# Altium PCB MU_MP_39_V1.PcbDoc (part 3 of 15) (continued)
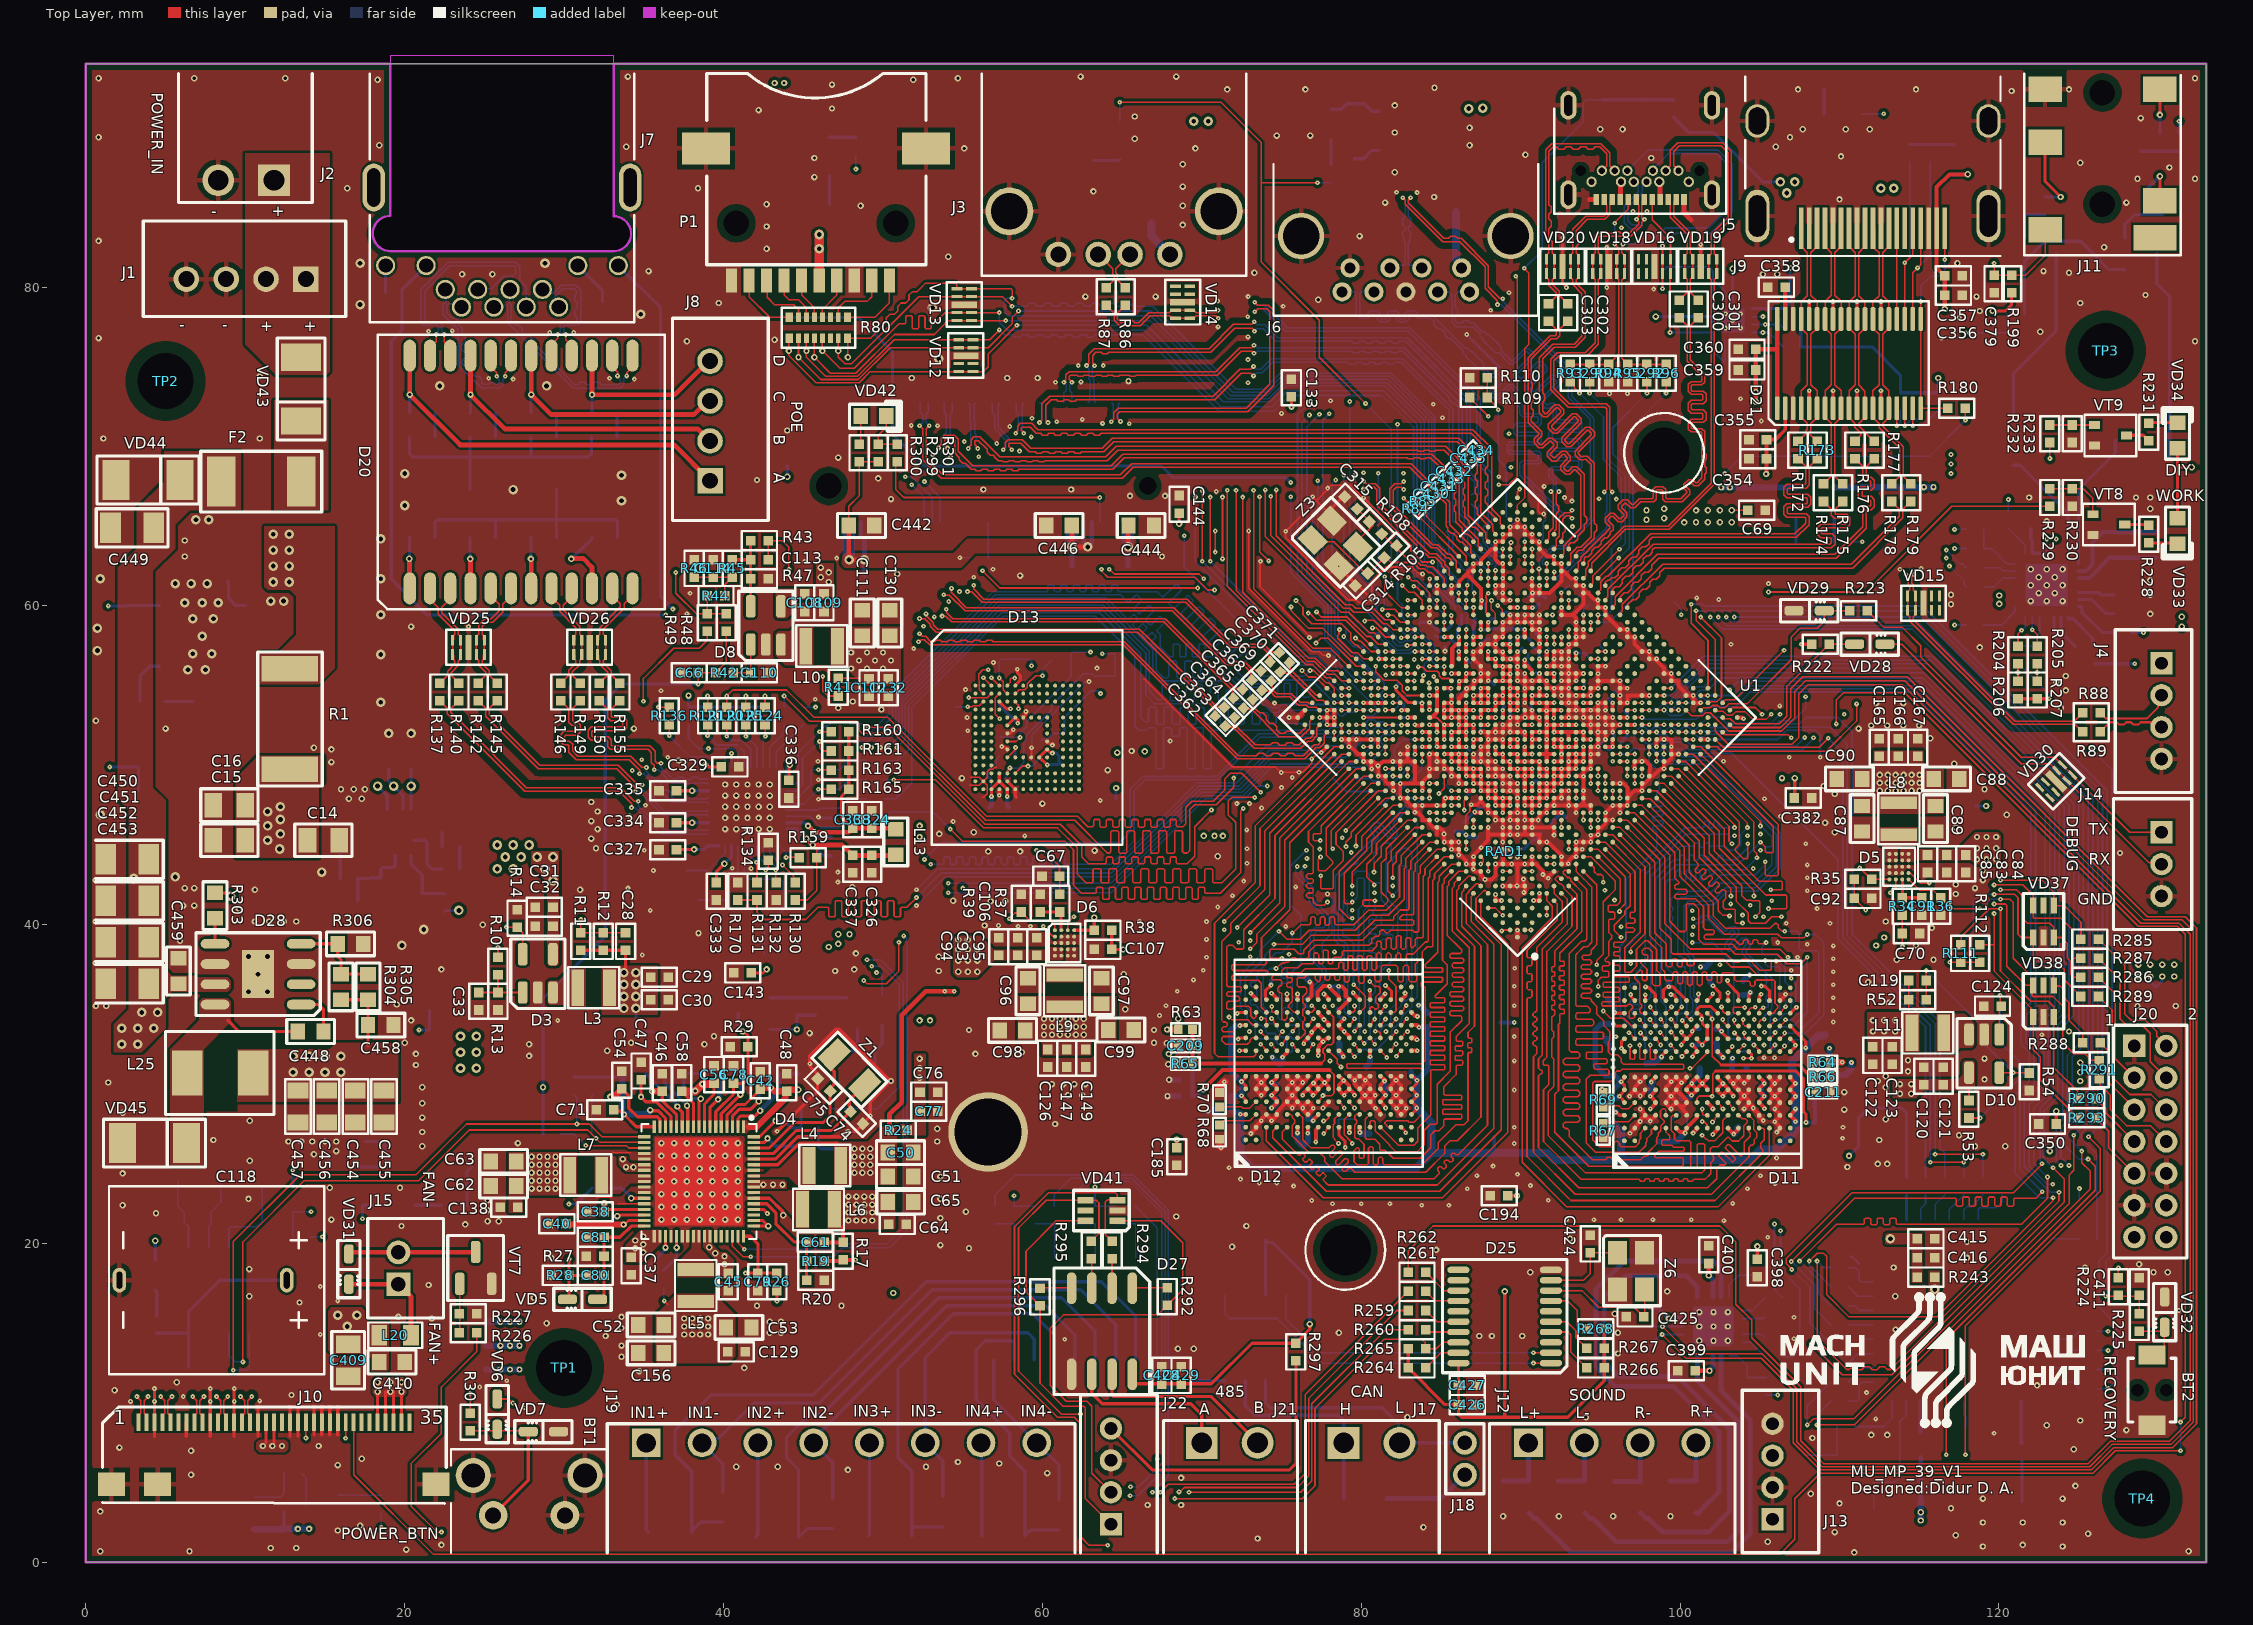
[diagram p0: Top Layer view]
## Footprints (in the part's own frame and the unit in brackets; to place one, negate y for a bottom-side part, rotate by r counter-clockwise, add the part's x,y. Pads: shape width x height; smd on the part's side, far side on the other; paste and mask are expansions set on the pad) (continued)
  silkscreen extent -12.5,-27.5 12.5,27.5, body extent -35.18,-27.03 34.83,26.97, height 8.7
SC70-6 [mm] "SOT23, 5-Leads, Body 2,90x2,80mm, Pitch 0,95mm, IPC Medium Density"
  rect 1x0.4 smd: 1(-1,0.65) 2(-1,0) 3(-1,-0.65) 4(1,-0.65) 5(1,0) 6(1,0.65)
  round 0.5 on Mech1: ""(-0.7,0.6)
  silkscreen extent -1.75,-1.28 1.75,1.28, body extent -1.15,-1.05 1.15,1.05, height 1
SC-70 [mm]
  rect 0.7x0.5 smd: 1(-1,0.65) 2(-1,-0.65) 3(1,0)
  round 0.5 on Mech1: ""(-0.7,0.7)
  silkscreen extent -1.62,-1.3 1.62,1.3, body extent -1.12,-1.1 1.12,1.1, height 1.1
SMA [mm]
  rect 1.7x2.5 smd: 1(-2,0) 2(2,0)
  round 0.5 on Mech1: ""(2,0.9)
  silkscreen extent -3.2,-1.5 3.2,1.5, body extent -2.5,-1.35 2.5,1.35, height 2.28
SO8 [mm] "pitch 1.27 mm"
  rrect100% 2x0.6 smd: 1(0,0) 2(0,-1.27) 3(0,-2.54) 4(0,-3.81) 5(5.4,-3.81) 6(5.4,-2.54) 7(5.4,-1.27) 8(5.4,0)
  round 0.7 on Mech1: 28(0.305,-0.105)
  silkscreen extent -1.27,-4.9 6.68,1.09, body extent -0.3,-4.35 5.7,0.55, height 1.75
SO8_PWR [mm] "pitch 1.27 mm, power pad"
  rrect100% 1.8x0.6 smd: 1(-2.7,1.905) 2(-2.7,0.635) 3(-2.7,-0.635) 4(-2.7,-1.905) 5(2.7,-1.905) 6(2.7,-0.635) 7(2.7,0.635) 8(2.7,1.905)
  rect 2x3 smd: 9(0,0)
  round 0.7 on Mech1: 28(-2.395,1.8)
  silkscreen extent -3.9,-2.6 3.9,2.6, body extent -3,-2.45 3,2.45, height 1.75
SOD323 [mm]
  rrect60% 1.2x0.6 smd: 1(-0.95,0) 2(0.95,0)
  silkscreen extent -1.8,-0.7 1.8,0.7, body extent -1.15,-0.6 1.15,0.6, height 1.04
SOIC127P700X210-16N [mm] "SOIC, 16-Leads, Body 10.30x4.40mm, Pitch 1.27mm, IPC Medium Density"
  oval 1.7x0.6 smd: 1(-3.2,4.445) 2(-3.2,3.175) 3(-3.2,1.905) 4(-3.2,0.635) 5(-3.2,-0.635) 6(-3.2,-1.905) 7(-3.2,-3.175) 8(-3.2,-4.445) 9(3.2,-4.445) 10(3.2,-3.175) 11(3.2,-1.905) 12(3.2,-0.635) 13(3.2,0.635) 14(3.2,1.905) 15(3.2,3.175) 16(3.2,4.445)
  silkscreen extent -4.4,-5.5 4.4,5.5, body extent -3.5,-5.25 3.5,5.25, height 2.1
SOT23 [mm]
  rrect60% 1.4x0.6 smd: 1(-1,1) 2(-1,-1) 3(1,0)
  round 0.5 on Mech1: ""(-0.9,1.1)
  silkscreen extent -2.05,-1.75 2.02,1.75, body extent -1.32,-1.52 1.32,1.52, height 1.12
SOT23-5 [mm] "pitch 0.95 mm"
  rrect50% 1.4x0.6 smd: 1(-1.2,0.95) 2(-1.2,0) 3(-1.2,-0.95) 4(1.2,-0.95) 5(1.2,0.95)
  round 0.5 on Mech1: ""(-1.1,1.1)
  silkscreen extent -2.2,-1.7 2.15,1.7, body extent -1.5,-1.5 1.5,1.5, height 1.3
SOT23-6 [mm] "pitch 0.95 mm"
  rrect50% 1.4x0.6 smd: 1(-1.2,0.95) 2(-1.2,0) 3(-1.2,-0.95) 4(1.2,-0.95) 5(1.2,0) 6(1.2,0.95)
  round 0.5 on Mech1: ""(-1,1.1)
  silkscreen extent -2.15,-1.68 2.15,1.68, body extent -1.4,-1.45 1.4,1.45, height 1.45
TANTAL-B [mm]
  rect 1.8x2.6 smd: 1(-1.6,0) 2(1.6,0)
  silkscreen extent -2.95,-1.83 2.85,1.85, body extent -1.85,-1.46 1.85,1.47, height 2.03
"TEST POINT SMD 1MM" [mm]
  round 1 smd: 1(0,0)
  silkscreen extent -0.7,-0.7 0.7,0.7
TF004 [mm] "micro sd holder 10 pin"
  rect 0.7x1.5 smd: 1(-3.1,-8.3) 2(-2,-8.3) 3(-0.9,-8.3) 4(0.2,-8.3) 5(1.3,-8.3) 6(2.4,-8.3) 7(3.5,-8.3) 8(4.6,-8.3) 9(-4.2,-8.3) 10(-5.3,-8.3)
  rect 3x2 smd: 11(-6.9,0) 12(6.9,0)
  round 0 hole 1.6 unplated: 13(5,-4.7) 14(-5,-4.7)
  Multi-Layer pour cut-out: -5,-5.9 -5.459,-5.809 -5.849,-5.549 -6.109,-5.159 -6.2,-4.7 -6.2,-4.7 -6.109,-4.241 -5.849,-3.851 -5.459,-3.591 -5,-3.5 -5,-3.5 -4.541,-3.591 -4.151,-3.851 -3.891,-4.241 -3.8,-4.7 -3.8,-4.7 -3.891,-5.159 -4.151,-5.549 -4.541,-5.809 -5,-5.9
  Multi-Layer pour cut-out: 3.8,-4.7 3.891,-5.159 4.151,-5.549 4.541,-5.809 5,-5.9 5,-5.9 5.459,-5.809 5.849,-5.549 6.109,-5.159 6.2,-4.7 6.2,-4.7 6.109,-4.241 5.849,-3.851 5.459,-3.591 5,-3.5 5,-3.5 4.541,-3.591 4.151,-3.851 3.891,-4.241 3.8,-4.7
  silkscreen extent -6.85,-7.3 6.9,4.7, body extent -6.85,-7.25 6.9,4.9, height 1.8
TSSOP-20 [mm]
  oval 1.4x0.4 smd: 1(0,0) 2(0,-0.65) 3(0,-1.3) 4(0,-1.95) 5(0,-2.6) 6(0,-3.25) 7(0,-3.9) 8(0,-4.55) 9(0,-5.2) 10(0,-5.85) 11(5.8,-5.85) 12(5.8,-5.2) 13(5.8,-4.55) 14(5.8,-3.9) 15(5.8,-3.25) 16(5.8,-2.6) 17(5.8,-1.95) 18(5.8,-1.3) 19(5.8,-0.65) 20(5.8,0)
  silkscreen extent -1,-6.5 6.8,0.6, body extent -0.42,-6.23 6.18,0.37, height 1.19
TSSOP-38 [mm]
  rrect70% 1.5x0.3 smd: 1(-2.8,4.5) 2(-2.8,4) 3(-2.8,3.5) 4(-2.8,3) 5(-2.8,2.5) 6(-2.8,2) 7(-2.8,1.5) 8(-2.8,1) 9(-2.8,0.5) 10(-2.8,0) 11(-2.8,-0.5) 12(-2.8,-1) 13(-2.8,-1.5) 14(-2.8,-2) 15(-2.8,-2.5) 16(-2.8,-3) 17(-2.8,-3.5) 18(-2.8,-4) 19(-2.8,-4.5) 20(2.8,-4.5) 21(2.8,-4) 22(2.8,-3.5) 23(2.8,-3) 24(2.8,-2.5) 25(2.8,-2) 26(2.8,-1.5) 27(2.8,-1) 28(2.8,-0.5) 29(2.8,0) 30(2.8,0.5) 31(2.8,1) 32(2.8,1.5) 33(2.8,2) 34(2.8,2.5) 35(2.8,3) 36(2.8,3.5) 37(2.8,4) 38(2.8,4.5)
  silkscreen extent -3.85,-5 3.9,5.05, body extent -3.2,-4.85 3.2,4.85, height 1.2
TSX3215 [mm]
  rect 1.2x1.8 smd: 1(-1.35,0) 2(1.35,0)
  silkscreen extent -2.2,-1.15 2.2,1.15, body extent -1.61,-0.76 1.61,0.76, height 0.91
TSX3225 [mm]
  rect 1.5x1.2 smd: 1(-1.15,-0.85) 2(1.15,-0.85) 3(1.15,0.85) 4(-1.15,0.85)
  silkscreen extent -2.22,-1.73 2.18,1.85, body extent -1.6,-1.25 1.6,1.25, height 0.81
U.FL-R-SMT-1 [mm]
  rect 1x1.1 smd: 1(0,-1.5)
  rect 1.1x2.2 smd: 2(-1.4,0) 3(1.4,0)
  silkscreen extent -2.2,-2.3 2.2,1.7, body extent -1.53,-1.6 1.47,1.5, height 1.25
"USB3.1 TYPE-C 24PF-003" [mm]
  rect 0.35x0.7 smd mask+0.05: A1(-2.75,1.11) A2(-2.25,1.11) A3(-1.75,1.11) A4(-1.25,1.11) A5(-0.75,1.11) A6(-0.25,1.11) A7(0.25,1.11) A8(0.75,1.11) A9(1.25,1.11) A10(1.75,1.11) A11(2.25,1.11) A12(2.75,1.11)
  round 0.65 hole 0.4 mask+0.05: B1(3.05,0) B2(2.4,-0.7) B3(1.6,-0.7) B4(1.2,0) B5(0.8,-0.7) B6(0.4,0) B7(-0.4,0) B8(-0.8,-0.7) B9(-1.2,0) B10(-1.6,-0.7) B11(-2.4,-0.7) B12(-3.05,0)
  oval 1x1.8 hole 0.5 slot 1.3 at 90 deg mask+0.05: E1(4.5,0.81) E2(-4.5,0.81) E3(-4.5,-4.8) E4(4.5,-4.8)
  round 0 hole 0.65 mask+0.05: H1(-3.725,-0.7) H2(3.725,-0.7)
  Multi-Layer pour cut-out: -3.725,-1.276 -3.945,-1.232 -4.132,-1.107 -4.257,-0.92 -4.301,-0.7 -4.301,-0.7 -4.257,-0.48 -4.132,-0.293 -3.945,-0.168 -3.725,-0.124 -3.725,-0.124 -3.505,-0.168 -3.318,-0.293 -3.193,-0.48 -3.149,-0.7 -3.149,-0.7 -3.193,-0.92 -3.318,-1.107 -3.505,-1.232 -3.725,-1.276
  Multi-Layer pour cut-out: 3.149,-0.7 3.193,-0.92 3.318,-1.107 3.505,-1.232 3.725,-1.276 3.725,-1.276 3.945,-1.232 4.132,-1.107 4.257,-0.92 4.301,-0.7 4.301,-0.7 4.257,-0.48 4.132,-0.293 3.945,-0.168 3.725,-0.124 3.725,-0.124 3.505,-0.168 3.318,-0.293 3.193,-0.48 3.149,-0.7
  silkscreen extent -5.4,-4.6 5.4,2, body extent -4.86,-8.46 4.85,1.54, height 3.51
WB-2 [mm]
  rect 1.5x1.5 hole 0.9: 1(0,0)
  round 1.5 hole 0.9: 2(2,0)
  silkscreen extent -2.12,-2.83 4.13,1.92, body extent -2,-2.7 4,1.8, height 6.05
WB-3 [mm]
  rect 1.4x1.4 hole 0.8: 1(0,0)
  round 1.4 hole 0.8: 2(2,0) 3(4,0)
  silkscreen extent -2.1,-3 6.1,1.9, body extent -1.95,-2.8 5.95,1.7, height 6
WB-4 [mm]
  rect 1.4x1.4 hole 0.8: 1(0,0)
  round 1.4 hole 0.8: 2(2,0) 3(4,0) 4(6,0)
  silkscreen extent -2.1,-2.9 8.1,1.9, body extent -1.95,-2.75 7.95,1.75, height 6
WLCSP-20 [mm]
  round 0.25 smd mask+0.04: A1(-0.6,0.8) A2(-0.2,0.8) A3(0.2,0.8) A4(0.6,0.8) B1(-0.6,0.4) B2(-0.2,0.4) B3(0.2,0.4) B4(0.6,0.4) C1(-0.6,0) C2(-0.2,0) C3(0.2,0) C4(0.6,0) D1(-0.6,-0.4) D2(-0.2,-0.4) D3(0.2,-0.4) D4(0.6,-0.4) E1(-0.6,-0.8) E2(-0.2,-0.8) E3(0.2,-0.8) E4(0.6,-0.8)
  silkscreen extent -1,-1.2 1,1.2, body extent -0.82,-1 0.78,1, height 0.58
WQFN14 [mm]
  rect 0.55x0.3 smd: 1(-1.215,0.5) 2(-1.215,0) 3(-1.215,-0.5) 8(1.215,-0.5) 9(1.215,0) 10(1.215,0.5)
  rect 0.3x0.55 smd: 4(-0.75,-1.215) 5(-0.25,-1.215) 6(0.25,-1.215) 7(0.75,-1.215) 11(0.75,1.215) 12(0.25,1.215) 13(-0.25,1.215) 14(-0.75,1.215)
  round 0.025 smd mask+0.05: 15(0,0)
  Top Layer region: -0.525,0.725 -0.725,0.525 -0.725,-0.725 0.725,-0.725 0.725,0.725
  silkscreen extent -1.63,-1.63 1.63,1.63, body extent -1.25,-1.24 1.24,1.24, height 0.51
XF2M-30_3515-1A [mm] "Rotary Backclock Connector 40 pin"
  rect 0.25x1.1 smd: 1(0,0) 2(0.5,0) 3(1,0) 4(1.5,0) 5(2,0) 6(2.5,0) 7(3,0) 8(3.5,0) 9(4,0) 10(4.5,0) 11(5,0) 12(5.5,0) 13(6,0) 14(6.5,0) 15(7,0) 16(7.5,0) 17(8,0) 18(8.5,0) 19(9,0) 20(9.5,0) 21(10,0) 22(10.5,0) 23(11,0) 24(11.5,0) 25(12,0) 26(12.5,0) 27(13,0) 28(13.5,0) 29(14,0) 30(14.5,0) 31(15,0) 32(15.5,0) 33(16,0) 34(16.5,0) 35(17,0)
  rect 1.7x1.5 smd: 41(-1.7,-3.9) 42(1.2,-3.9) 43(18.65,-3.9)
  silkscreen extent -2.25,-5.1 19.3,0.95, body extent -2.3,-5 19.3,0.9, height 2.01
YC248 [mm]
  rect 0.6x0.45 smd: 1(0,0.025) 8(0,-3.625) 9(1.3,-3.625) 16(1.3,0.025)
  rect 0.6x0.3 smd: 2(0,-0.55) 3(0,-1.05) 4(0,-1.55) 5(0,-2.05) 6(0,-2.55) 7(0,-3.05) 10(1.3,-3.05) 11(1.3,-2.55) 12(1.3,-2.05) 13(1.3,-1.55) 14(1.3,-1.05) 15(1.3,-0.55)
  silkscreen extent -0.6,-4.1 1.9,0.5, body extent -0.15,-3.8 1.45,0.2, height 0.45

## Part data
BT1: library part Button_Corner_4pin, Package=L-KLS7-TS6606-5.0-180, PartNumber=L-KLS7-TS6606-5.0-180
BT2: library part Button_2pin, Package=IT-1185AP, PartNumber=IT-1185AP
C1 C11 C12 C18 C374 C410 C448 C458 C459 C460 C463 C468: library part Ceramic_Cap, Package=SMD0603, PartNumber=CC0603KRX7R9BB104, Voltage=50V, ComponentType="SMD Ceramic Chip Capacitor"
C2 C3 C4 C5 C449 C450 C451 C452: library part Ceramic_Cap, Package=SMD1206, PartNumber=CL31B106KBHNNNE, Voltage=50V, ComponentType="SMD Ceramic Chip Capacitor"
C6 C453: library part Ceramic_Cap, Package=SMD1206, PartNumber=CC1206MRY5V9BB105, Voltage=50V, ComponentType="SMD Ceramic Chip Capacitor"
C7 C8 C14 C15 C454 C455: library part Ceramic_Cap, Package=SMD0805, PartNumber=CC0805MKX5R8BB226, Voltage=25V, ComponentType="SMD Ceramic Chip Capacitor"
C9 C16 C456 C462: library part Ceramic_Cap, Package=SMD0805, PartNumber=CL21A106KAYNNNE, Voltage=25V, ComponentType="SMD Ceramic Chip Capacitor"
C10 C17 C375 C409 C457: library part Ceramic_Cap, Package=SMD0805, PartNumber=CC0805KKX7R8BB105, Voltage=25V, ComponentType="SMD Ceramic Chip Capacitor"
C13 C383 C384 C386 C388: library part Ceramic_Cap, Package=SMD0402, PartNumber=CC0402KRX5R8BB224, Voltage=25V, ComponentType="SMD Ceramic Chip Capacitor"
C19 C24 C25 C30 C32 C33 C66 C67 C68 C69 C70 C71 C72 C77 C78 C79 C82 C85 C91 C92 C95 C101 C102 C104 C106 C107 C109 C110 C112 C117 C121 C123 C124 C133 C143 C144 C149 C150 C159 C167 C168 C185 C194 C201 C202 C203 C206 C215 C216 C217 C218 C219 C223 C224 C225 C226 C229 C230 C231 C234 C235 C236 C237 C238 C242 C243 C244 C245 C246 C250 C251 C252 C253 C254 C262 C264 C268 C269 C272 C276 C279 C281 C284 C290 C291 C292 C300 C301 C302 C303 C306 C308 C325 C327 C328 C329 C330 C332 C333 C334 C335 C336 C341 C345 C355 C357 C358 C360 C361 C362 C363 C364 C365 C367 C368 C369 C370 C371 C379 C380 C382 C385 C387 C389 C390 C399 C400 C401 C402 C404 C406 C408 C413 C415 C417 C422 C427 C428 C443 C445 C447 C467: library part Ceramic_Cap, Package=SMD0402, PartNumber=CC0402KRX5R6BB104, Voltage=10V, ComponentType="SMD Ceramic Chip Capacitor"
  C201 C202 C203 C206 C215 C216 C217 C218 C219 C223 C224 C225 C226 C229 C230 C231 C234 C235 C236 C237 C238 C242 C243 C244 C245 C246 C250 C251 C252 C253 C254 C362 C363 C364 C365 C368 C369 C370 C371: ClassName=Solder_Clearence
C20 C21 C22 C23 C50 C51 C52 C53 C62 C63 C65 C87 C88 C89 C90 C96 C97 C98 C99 C111 C130 C146 C156 C164 C177 C186 C273 C442 C444 C446: library part Ceramic_Cap, Package=SMD0603, PartNumber=CL10A226MP8NUNE, Voltage=10V, ComponentType="SMD Ceramic Chip Capacitor"
C26 C27 C37 C39 C42 C46 C48 C54 C56 C58 C73 C132 C138 C147 C148 C158 C166 C169 C179 C188 C195 C198 C214 C222 C228 C233 C241 C249 C287 C288 C289 C316 C337 C338 C350 C352 C354 C356 C359 C423 C426 C429 C440: library part Ceramic_Cap, Package=SMD0402, PartNumber=CC0402KRX5R6BB105, Voltage=10V, ComponentType="SMD Ceramic Chip Capacitor"
  C148 C158 C169 C179 C188 C195 C198 C214 C222 C228 C233 C241 C249 C316 C352 C440: ClassName=Solder_Clearence
C28 C119 C461: library part Ceramic_Cap, Package=SMD0402, PartNumber=CC0402KRNPO9BN101, Voltage=50V, ComponentType="SMD Ceramic Chip Capacitor"
C29 C31 C45 C64 C76 C83 C84 C93 C94 C100 C103 C108 C120 C122 C125 C126 C127 C128 C129 C131 C157 C165 C178 C187 C213 C221 C227 C232 C240 C248 C274 C275 C280 C282 C283 C304 C305 C307 C324 C326 C331 C366 C414 C416 C418 C464 C465 C466: library part Ceramic_Cap, Package=SMD0402, PartNumber=CC0402MRX5R6BB106, Voltage=10V, ComponentType="SMD Ceramic Chip Capacitor"
  C125 C127 C128 C131 C157 C178 C187 C213 C221 C227 C232 C240 C248: ClassName=Solder_Clearence
C34 C35 C36 C105 C134 C135 C136 C139 C140 C141 C142 C151 C152 C153 C154 C160 C161 C162 C170 C171 C172 C173 C174 C175 C180 C181 C182 C183 C184 C189 C190 C191 C192 C193 C196 C197 C199 C200 C258 C259 C265 C266 C277 C278 C293 C294 C295 C296 C297 C298 C299 C309 C310 C311 C312 C313 C317 C318 C319 C320 C321 C322 C323 C344 C351 C353 C372 C373 C381 C430 C431 C432 C433 C434 C435 C436 C437 C438 C439 C441: library part Ceramic_Cap, Package=SMD0201, PartNumber=CC0201KRX5R6BB104, Voltage=10V, ComponentType="SMD Ceramic Chip Capacitor"
C38 C40 C43 C44 C47 C55 C59 C86 C260 C378: library part Ceramic_Cap, Package=SMD0402, PartNumber=CC0402KRX5R6BB225, Voltage=10V, ComponentType="SMD Ceramic Chip Capacitor"
C41 C49 C57 C80 C261 C263 C267 C270 C271 C391 C396 C397 C398 C403 C405 C407: library part Ceramic_Cap, Package=SMD0402, PartNumber=CL05A475KP5NRNC, Voltage=10V, ComponentType="SMD Ceramic Chip Capacitor"
C60: library part Ceramic_Cap, Package=SMD0402, PartNumber=CC0402MRX5R6BB106, Voltage=6.3V, ComponentType="SMD Ceramic Chip Capacitor"
C61 C113: library part Ceramic_Cap, Package=SMD0402, PartNumber=CC0402FRNPO9BN470, Voltage=50V, ComponentType="SMD Ceramic Chip Capacitor"
C74 C75 C115 C116 C314 C315 C339 C340 C420 C421 C424 C425: library part Ceramic_Cap, Package=SMD0402, PartNumber=CC0402JRNPO9BN120, Voltage=50V, ComponentType="SMD Ceramic Chip Capacitor"
C81 C114: library part Ceramic_Cap, Package=SMD0402, PartNumber=GRM155R61A223KA01D, Voltage=10V, ComponentType="SMD Ceramic Chip Capacitor"
C118: library part AluminiumCap, Package=DCS5R5_H, PartNumber=DCS5R5334HF, Tolerance=±20%, Voltage=5.5V
C137 C145 C155 C163 C176: library part Ceramic_Cap, Package=SMD0201, PartNumber=CC0201KRX7R7BB102, Voltage=16V, ComponentType="SMD Ceramic Chip Capacitor"
C204 C205 C207 C208 C209 C210 C211 C212 C220 C239 C247 C255 C411: library part Ceramic_Cap, Package=SMD0402, PartNumber=CC0402KRX7R9BB102, Voltage=10V, ComponentType="SMD Ceramic Chip Capacitor"
  C204 C205 C207 C208 C209 C210 C211 C212 C220 C239 C247 C255: ClassName=Solder_Clearence
C256 C257 C419: library part Ceramic_Cap, Package=SMD0402, PartNumber="Do Not Place", ComponentType="SMD Ceramic Chip Capacitor"
  C256 C257: ClassName=Solder_Clearence
C285 C286: library part Ceramic_Cap, Package=SMD0402, PartNumber=CC0402JRNPO9BN221, Voltage=50V, ComponentType="SMD Ceramic Chip Capacitor"
C342 C343 C346 C348: library part Ceramic_Cap, Package=SMD0603, PartNumber=CC0603KRX7R0BB103, Voltage=100V, ComponentType="SMD Ceramic Chip Capacitor"
C347 C349: library part Ceramic_Cap, Package=SMD1206, PartNumber=CC1206MKX7RDBB102, Voltage=2kV, ComponentType="SMD Ceramic Chip Capacitor"
C376 C377: library part Tantal, Package=TANTAL-B, PartNumber=CA45L-B010K476TE500, Tolerance=20%, Voltage=10V, ComponentType="SMD Tantalum Chip Capacitor"
C392 C393 C394 C395: library part Ceramic_Cap, Package=SMD0402, PartNumber=CC0402JRX7R9BB561, Voltage=50V, ComponentType="SMD Ceramic Chip Capacitor"
C412: library part Ceramic_Cap, Package=SMD0402, PartNumber=CC0402CRNPO9BN100, Voltage=50V, ComponentType="SMD Ceramic Chip Capacitor"
D1 D28: library part ST1S14, Manufacter=ST, Package="Power SO8", ComponentType="step-down switching regulator", PartNumber=ST1S14PHR
D2: Package=QFN-12, ComponentType="SMD Chip Resistor", PartNumber=NB679GD
D3: library part SY8088AAC, Package=SOT23-5, ComponentType="SMD Chip Resistor", PartNumber=SY8089A1AAC
D4: Package=QFN68, ComponentType="SMD Chip Resistor", PartNumber=RK808-D
D5: Package=WLCSP-20, ComponentType="SMD Chip Resistor", PartNumber=SYR838PKC
D6: library part SYR838PKC, Package=WLCSP-20, ComponentType="SMD Chip Resistor", PartNumber=SYR837PKC
D7: library part PT5108E23E-30, Package=SOT23-5, ComponentType="SMD Chip Resistor", PartNumber=PT5108E23E-18
D8 D10 D14 D15 D18: Package=SOT23-5, ComponentType="SMD Chip Resistor"
  D8 D10: PartNumber=SY8088AAC
  D14: PartNumber=PT5108E23E-30
  D15 D18: PartNumber=SY6280AAAC
D9: Package=SO8, ComponentType="SMD Chip Resistor", PartNumber=PCF8563T
D11 D12: library part K4E8E304EE-EGCE, Package=FBGA178, PartNumber=K4E6E304EB-EGCF
D13: Package=FBGA153, PartNumber=KLMAG2WEMB-B031
D16: library part SY6280AAAC, Package=SOT23-5, ComponentType="SMD Chip Resistor", PartNumber=SY6282ACC
D17: Package=WQFN14, ComponentType="SMD Chip Resistor", PartNumber=FUSB302BMPX
D19: Package=QFN40, ComponentType="SMD Chip Resistor", PartNumber=RTL8211F-CG
D21: Package=TSSOP-38, PartNumber=TPD12S521DBTR
D22: Package=QFN-28, ComponentType="SMD Chip Resistor", PartNumber=ES8388
D23: Package=QFN-20, ComponentType="SMD Chip Resistor", PartNumber=PAM8404KGR
D25: Package=TSSOP-20, ComponentType="SMD Chip Resistor", PartNumber=MCP2515IST
D26: library part SN65HVD230D, Manufacter=TI, Package=SO8, PartNumber=SN65HVD235D, ComponentType="CAN Bus Transceiver"
D27: Manufacter=TI, Package=SO8, ComponentType="RS-485 Transceiver", PartNumber=SN65HVD1781D
D29: Manufacter=ST, Package=TSOT23-6, ComponentType="step-down switching regulator", PartNumber=SM8103
F1 F2: library part Fuse, Package=SMD1812, PartNumber=1812L110/33MR
J1 J8: library part CON4, PartNumber="DS1069-4MVW6X (CWF-4)", Package=CWF-4
J2: library part CON2, Package=15EDGRC-3.5-02P, PartNumber=15EDGRC-3.5-02P
J3: library part USBA-1J, Package=DS1095-WNR0, PartNumber=DS1095-WNR0
J4 J13: library part CON4, PartNumber=DS1066-04M(MW-4M), Package=WB-4
J5: library part TYPEC_FUCR-248X-10XX, ComponentType="SMD Chip Resistor", Package="USB3.1 TYPE-C 24PF-003", PartNumber="USB3.1 TYPE-C 24PF-003"
J6: library part USB3D0_AF_9P, ComponentType="SMD Chip Resistor", Package=DS1095-05-LNR0, PartNumber=DS1095-05-LNR0
J9: library part HDMI_A_1, Package=DS1114-BN0XR, PartNumber=DS1114-BN0XR
J10: library part LCD_CON_30_35, Package=XF2M30151A, PartNumber=XF2M30151A
J12: library part CON4, Package=15EDGRC-3.5-04P, PartNumber=15EDGRC-3.5-04P
J14: library part CON3, PartNumber=DS1066-03M(MW-3M), Package=WB-3
J15 J17 J21: library part CON2, PartNumber=DS1066-02M(MW-2M), Package=WB-2
J16: library part UFL_CON, ComponentType="SMD Chip Resistor", Package=U.FL-R-SMT-1, PartNumber=U.FL-R-SMT-1
J18: Package=PLS-2(2.00), PartNumber=DS1025-01-1x2P8BV1-B
J19: library part CON8, Package=15EDGRC-3.5-08P, PartNumber=15EDGRC-3.5-08P
J20: library part CON14_2, Package="PLD2-14 (2.00", PartNumber="PLD2-14 (2.00"
J22: library part CON4, PartNumber=DS1066-04M, Package=WB-04
J23: library part KLS1-NGFF01-3.2-M-G1U_1, ComponentType="SMD Chip Resistor", Package=KLS1-NGFF01-3.2-M-G1U, PartNumber=KLS1-NGFF01-3.2-M-G1U
L1 L25 L26: library part Inductor_smal, Package=IHLP2020, PartNumber=IHLP2020CZER3R3M01
L2: library part Inductor_smal, Package=IHLP2020, PartNumber=IHLP2020CZER2R2M01
L3 L4 L6: library part Inductor_smal, Package=HEI252012A, PartNumber=HEI252012A-2R2M-Q8
L5 L7: library part Inductor_smal, Package=HEI252012A, PartNumber=HEI252012A-1R0M-Q8
L8 L9: library part Inductor_smal, Package=HEI252012A, PartNumber=HEI252012A-R33M-Q8
L10 L11: library part Inductor_smal, Package=WPN252012, PartNumber=WPN252012H3R3MT
L12: library part Inductor_smal, Package=SMD252012, PartNumber=DFE252012P-2R2M=P2
L13 L23: library part Inductor_smal, Package=SMD0603, PartNumber=BLM18PG181SN1
L14 L15 L16 L17 L18 L19 L20: library part Inductor_smal, Package=SMD0805, PartNumber=PBY201209T-121Y-N
L21 L22: library part Inductor_smal, Package=SMD0402, PartNumber="Do Not Place", ClassName=Solder_Clearence
L24: library part Inductor_smal, Package=MWSA0402S, PartNumber=MWSA0402S-4R7MT
P1: library part "MicroSD 9E", ComponentType="MicroSD conector", Package=TF004, PartNumber=TF004
R1 R302: library part Chip_Res, Package=SMD2512, PartNumber=RC2512FK-070RL, Tolerance=1%, ComponentType="SMD Chip Resistor"
R2 R303: library part Chip_Res, Package=SMD0603, PartNumber=RC0603FR-07510KL, Tolerance=1%, ComponentType="SMD Chip Resistor"
R3 R304: library part Chip_Res, Package=SMD0603, PartNumber=RC0603FR-0747KL, Tolerance=1%, ComponentType="SMD Chip Resistor"
R4 R305: library part Chip_Res, Package=SMD0603, PartNumber=RC0603FR-07360KL, Tolerance=1%, ComponentType="SMD Chip Resistor"
R5 R306: library part Chip_Res, Package=SMD0603, PartNumber=RC0603FR-074K7L, Tolerance=1%, ComponentType="SMD Chip Resistor"
R6: library part Chip_Res, Package=SMD0402, PartNumber=RC0402FR-073R3L, Tolerance=1%, ComponentType="SMD Chip Resistor"
R7 R13 R49: library part Chip_Res, Package=SMD0402, PartNumber=RC0402FR-0730KL, Tolerance=1%, ComponentType="SMD Chip Resistor"
R8 R43 R52 R93 R96 R187 R227 R230 R233 R256 R307 R308 R309: library part Chip_Res, Package=SMD0402, PartNumber=RC0402FR-07100KL, Tolerance=1%, ComponentType="SMD Chip Resistor"
R9 R16 R22 R23 R25 R26 R28 R32 R34 R36 R37 R39 R40 R42 R51 R59 R60 R61 R62 R79 R82 R91 R106 R109 R110 R186 R188 R190 R198 R199 R201 R214 R217 R219 R220 R221 R222 R224 R226 R229 R232 R264 R265 R266 R267 R268 R269 R270 R277 R281 R298 R299: library part Chip_Res, Package=SMD0402, PartNumber=RC0402FR-0710KL, Tolerance=1%, ComponentType="SMD Chip Resistor"
  R59 R60 R61 R62: ClassName=Solder_Clearence
R10 R44: library part Chip_Res, Package=SMD0402, PartNumber=RC0402FR-0718KL, Tolerance=1%, ComponentType="SMD Chip Resistor"
R11: library part Chip_Res, Package=SMD0402, PartNumber=RC0402FR-07150KL, Tolerance=1%, ComponentType="SMD Chip Resistor"
R12 R77 R107 R119 R163 R165 R215 R216 R218 R257: library part Chip_Res, Package=SMD0402, PartNumber="Do Not Place", Tolerance=1%, ComponentType="SMD Chip Resistor"
R14: library part Chip_Res, Package=SMD0402, PartNumber=RC0402FR-0733KL, Tolerance=1%, ComponentType="SMD Chip Resistor"
R15 R17 R18 R35 R38 R41 R50 R131 R200 R223 R228 R231 R285 R286 R287 R288 R289 R290 R291 R293: library part Chip_Res, Package=SMD0402, PartNumber=RC0402FR-07100RL, Tolerance=1%, ComponentType="SMD Chip Resistor"
R19: library part Chip_Res, Package=SMD0402, PartNumber=RC0402FR-0751KL, Tolerance=1%, ComponentType="SMD Chip Resistor"
R20 R47 R54: library part Chip_Res, Package=SMD0402, PartNumber=RC0402FR-07200KL, Tolerance=1%, ComponentType="SMD Chip Resistor"
R21: library part Chip_Res, Package=SMD0402, PartNumber=RL0402FR-070R1L, Tolerance=1%, ComponentType="SMD Chip Resistor"
R24 R30 R57 R58 R86 R87 R88 R89 R104 R137 R140 R142 R145 R146 R149 R150 R155 R204 R205 R243 R259 R260 R261 R262 R274 R276 R280 R284 R292 R294 R295 R296 R297 R301: library part Chip_Res, Package=SMD0402, PartNumber=RC0402FR-070RL, Tolerance=1%, ComponentType="SMD Chip Resistor"
  R57 R58: ClassName=Solder_Clearence
R27 R94 R95: library part Chip_Res, Package=SMD0402, PartNumber=RC0402FR-072ML, Tolerance=1%, ComponentType="SMD Chip Resistor"
R29 R65 R66 R101 R180 R189: library part Chip_Res, Package=SMD0402, PartNumber=RC0402FR-071KL, Tolerance=1%, ComponentType="SMD Chip Resistor"
  R65 R66: ClassName=Solder_Clearence
R31: library part Chip_Res, Package=SMD0402, PartNumber=RC0402FR-073K3L, Tolerance=1%, ComponentType="SMD Chip Resistor"
R33 R78 R103: library part Chip_Res, Package=SMD0402, PartNumber=RC0402FR-1347KL, Tolerance=1%, ComponentType="SMD Chip Resistor"
R45: library part Chip_Res, Package=SMD0402, PartNumber=RC0402FR-07118KL, Tolerance=1%, ComponentType="SMD Chip Resistor"
R46: library part Chip_Res, Package=SMD0402, PartNumber=RC0402FR-0712KL, Tolerance=1%, ComponentType="SMD Chip Resistor"
R48: library part Chip_Res, Package=SMD0402, PartNumber=RC0402FR-073K9L, Tolerance=1%, ComponentType="SMD Chip Resistor"
R53: library part Chip_Res, Package=SMD0402, PartNumber=RC0402FR-0739KL, Tolerance=1%, ComponentType="SMD Chip Resistor"
R55 R56: library part Chip_Res, Package=SMD0201, PartNumber=RC0201FR-07240RL, Tolerance=1%, ComponentType="SMD Chip Resistor"
R63 R64: library part Chip_Res, Package=SMD0402, PartNumber=RC0402FR-07768RL, Tolerance=1%, ClassName=Solder_Clearence, ComponentType="SMD Chip Resistor"
R67 R68 R69 R70: library part Chip_Res, Package=SMD0402, PartNumber=RC0402FR-07240RL, Tolerance=1%, ClassName=Solder_Clearence, ComponentType="SMD Chip Resistor"
R71 R72 R73 R74: library part Chip_Res, Package=SMD0402, PartNumber=RC0402FR-0751RL, Tolerance=1%, ClassName=Solder_Clearence, ComponentType="SMD Chip Resistor"
R75 R108 R120 R121 R122 R123 R124 R125 R126 R127 R129 R133 R135 R136 R141 R195 R196 R234 R235 R236 R237 R238 R239 R240 R241 R242 R244 R245 R246 R247 R248 R249 R250 R251 R252 R253 R254 R255: library part Chip_Res, Package=SMD0402, PartNumber=RC0402FR-0722RL, Tolerance=1%, ComponentType="SMD Chip Resistor"
  R75: ClassName=Solder_Clearence
R76: library part Chip_Res, Package=SMD0201, PartNumber=RC0201FR-0710KL, Tolerance=1%, ComponentType="SMD Chip Resistor"
R80: library part YC248, PartNumber=YC248-JR-0722RL, Tolerance=5%, Package=YC248
R81: library part YC248, PartNumber="Do Not Place", Tolerance=5%, Package=YC248
R83 R102 R130 R132 R134 R151 R154 R156 R157 R159 R160 R161 R162 R164 R167 R168 R170 R182 R183: library part Chip_Res, Package=SMD0402, PartNumber=RC0402FR-074K7L, Tolerance=1%, ComponentType="SMD Chip Resistor"
R84 R85: library part Chip_Res, Package=SMD0201, PartNumber=RC0201FR-07133RL, Tolerance=1%, ComponentType="SMD Chip Resistor"
R90: library part Chip_Res, Package=SMD0402, PartNumber=RC0402FR-072K7L, Tolerance=1%, ComponentType="SMD Chip Resistor"
R92: library part Chip_Res, Package=SMD0402, PartNumber=RC0402FR-0715KL, Tolerance=1%, ComponentType="SMD Chip Resistor"
R97 R98 R99 R100: library part Chip_Res, Package=SMD0402, PartNumber=RC0402FR-07499RL, Tolerance=1%, ClassName=Solder_Clearence, ComponentType="SMD Chip Resistor"
R105: library part Chip_Res, Package=SMD0402, PartNumber=RC0402FR-071ML, Tolerance=1%, ComponentType="SMD Chip Resistor"
R111 R112 R113 R114 R115 R116 R117 R118 R197 R206 R207: library part Chip_Res, Package=SMD0402, PartNumber=RC0402FR-072K2L, Tolerance=1%, ComponentType="SMD Chip Resistor"
R128: library part Chip_Res, Package=SMD0402, PartNumber=RC0402FR-072K49L, Tolerance=1%, ComponentType="SMD Chip Resistor"
R138 R139 R143 R144 R147 R148 R152 R153: library part Chip_Res, Package=SMD0603, PartNumber=RC0603FR-0775RL, Tolerance=1%, ComponentType="SMD Chip Resistor"
R158: library part Chip_Res, Package=SMD0402, PartNumber=RC0402FR-071K5L, Tolerance=1%, ComponentType="SMD Chip Resistor"
R166 R169: library part Chip_Res, Package=SMD0402, PartNumber=RC0402FR-07510RL, Tolerance=1%, ComponentType="SMD Chip Resistor"
R171: library part Chip_Res, Package=SMD0402, PartNumber=RC0402FR-071K62L, Tolerance=1%, ClassName=Solder_Clearence, ComponentType="SMD Chip Resistor"
R172 R173 R174 R175 R176 R177 R178 R179: library part Chip_Res, Package=SMD0402, PartNumber=RC0402FR-072R2L, Tolerance=1%, ComponentType="SMD Chip Resistor"
R181: library part Chip_Res, Package=SMD0402, PartNumber=RC0402FR-0727KL, Tolerance=1%, ComponentType="SMD Chip Resistor"
R184 R185: library part Chip_Res, Package=SMD0402, PartNumber=RC0402FR-071K8L, Tolerance=1%, ComponentType="SMD Chip Resistor"
R191: library part Chip_Res, Package=SMD0402, PartNumber=RC0402FR-076K04L, Tolerance=1%, ComponentType="SMD Chip Resistor"
R192 R193 R194: library part Chip_Res, Package=SMD0603, PartNumber=RC0603FR-070RL, Tolerance=1%, ComponentType="SMD Chip Resistor"
R202 R203 R300: library part Chip_Res, Package=SMD0402, PartNumber=RC0402FR-07470RL, Tolerance=1%, ComponentType="SMD Chip Resistor"
R208 R209 R210 R211 R212 R213: library part Chip_Res, Package=SMD0402, PartNumber=RC0402FR-0733RL, Tolerance=1%, ComponentType="SMD Chip Resistor"
R225: library part Chip_Res, Package=SMD0402, PartNumber=RC0402FR-0710RL, Tolerance=1%, ComponentType="SMD Chip Resistor"
R258: library part Chip_Res, Package=SMD1206, PartNumber=RC1206FR-07120RL, Tolerance=1%, ComponentType="SMD Chip Resistor"
R263: library part Chip_Res, Package=SMD0402, PartNumber=RC0402FR-07120RL, Tolerance=1%, ComponentType="SMD Chip Resistor"
R271 R272 R273 R275 R278 R279 R282 R283: library part Chip_Res, Package=SMD1206, PartNumber=RC1206FR-074K7L, Tolerance=1%, ComponentType="SMD Chip Resistor"
R310: library part Chip_Res, Package=SMD0402, PartNumber=RC0402FR-0722K1L, Tolerance=1%, ComponentType="SMD Chip Resistor"
RAD1: library part RK3399_RADIATOR_1, Package="RADIATOR _6x5.2mm", ComponentType="SMD Chip Resistor"
TP1 TP2 TP3 TP4 TP5 TP6 TP7 TP8 TP9 TP10: library part TP
  TP5 TP6 TP7 TP8 TP9 TP10: Package="TEST POINT SMD 1MM", PartNumber="TEST POINT SMD 1MM"
U1: Package=BGA828, PartNumber=RK3399
U2: library part PS2801-4-F3-A, "Optocoupler X4", Manufacturer=Renesas, Package=SOIC127P700X210-16N, Comments="80V, 50mA", PartNumber=PS2801-4-F3-A
VD1 VD3 VD43 VD45: library part ShottkyDiode, Package=SMA, PartNumber=B360
VD2 VD44: library part ZenerDiode, Package=SMA, PartNumber=SMAJ36A
VD4 VD6 VD8 VD9 VD10 VD11 VD21: Package=SOD323, PartNumber=PMEG4010CEJ.115
VD5 VD27 VD28 VD31 VD35 VD36 VD39 VD40: Package=SOD323, PartNumber=1N4148WS
VD7 VD22 VD32: Package=SOD323, PartNumber=UDD32C05L01
VD17 VD29: library part ZenerDiode, Package=SOD323, PartNumber=BZT52C3V3
VD33 VD34 VD42: library part LED, Package=SMD0603
  VD33 VD42: PartNumber=FYLS-0603UGC
  VD34: PartNumber=FYLS-0603URC
VD37 VD38 VD41: Package=SC70-6, PartNumber=PESD3V3L5UY
VT1 VT3: library part MOSFET_P, Package=SOT23, PartNumber=WM02P30M
VT2 VT4 VT8 VT9: library part NPN_BEC, Package=SC-70, PartNumber=BC817-40W
VT5 VT6 VT7: library part MOSFET_N, Package=SOT23, PartNumber=WM02N31M
Z1 Z2: library part OSC3215, Package=TSX3215, PartNumber=SJK-7L-32.768-12.5-20-70-C
Z3: library part OSC3225, Package=TSX3225, PartNumber=12.88665
Z4: library part OSC3225, Package=TSX3225, PartNumber=X322525MOB4SI
Z5: library part OSC3225, Package=TSX3225, PartNumber=X3225374MOB4SI
Z6: library part OSC3225, Package=TSX3225, PartNumber=X32258MOB4SI
D20: Package=LP72431ANL, PartNumber=LP72431ANL
D24: ComponentType="SMD Chip Resistor", Package=AP6255, PartNumber=AP6255
J7: Package=LPJE4714BGNL, PartNumber=LPJE4714BGNL
J11: ComponentType="SMD Chip Resistor", Package=PJ-342B-TX-SMT, PartNumber=PJ-342B-TX-SMT
VD12 VD13 VD14 VD15 VD16 VD18 VD19 VD20 VD23 VD24 VD25 VD26 VD30: Package=RCLAMP0524PA, PartNumber=RCLAMP0524PA

## Via types
v1: diameter 0.3, hole 0.1, Top Layer to Bottom Layer, tented both sides, 1670 vias
v2: diameter 0.4, hole 0.2, Top Layer to Bottom Layer, tented both sides, 843 vias
v3: diameter 0.6, hole 0.3, Top Layer to Bottom Layer, tented both sides, 132 vias

## Nets (pads, with @x,y where several pads share a name; then routed paths per layer and width w, separated by ;. In a path a pad name is that pad's centre, name@x,y a point inside that pad or via, vN(x,y) a via of type N, cw(c..) or ccw(c..) an arc to the next point about the centre after c; other vN are vias at no path point)
3V3_PCIE: C442.2 C443.1 C444.2 C445.1 C446.2 C447.1 C461.1 C464.1 C465.1 C466.1 C467.1 J23.2 J23.4 J23.12 J23.14 J23.16 J23.18 J23.70 J23.72 J23.74 L26.1 R298.2 R299.2 R300.2 R308.2 | length 83.7
  Top Layer w0.1: C442.2@47.85,65.05 47.85,66.25 48.5,66.9 R300.2@48.5,69.05 R299.2@49.7,69.05
  Top Layer w0.3: C442.2@47.85,65.05 47.85,62.925 v3(47.875,62.9) v3(48.825,62.9) ; C446.2@61.85,65.05 v3(61.85,63.7) v3(62.85,63.7) ; v3(65.375,63.7) 65.375,65.025 C444.2@65.4,65.05
  POWER_1 w0.6: 24.5,32.6 26.8,32.6 33.1,38.9 33.1,54.1 34.8,55.8 44.9,55.8 47.875,58.775 v3(47.875,62.9) v3(48.825,62.9)
  Bottom Layer w0.1: v1(54.825,63.025) R298.2@55.5,63.025
  Bottom Layer w0.3: J23.74@47.6,65.25 47.6,63.226 v3@47.875,62.951 ; J23.72@48.1,65.25 48.1,63.206 47.875,62.981 v3@47.875,62.951 ; J23.70@48.6,65.25 48.6,64.4 48.845,64.155 48.845,62.92 v3(48.825,62.9) ; C443.1@48.85,61.9 48.85,62.875 v3(48.825,62.9) ; J23.18@61.6,65.25 61.6,63.95 v3(61.85,63.7) ; C447.1@61.85,62.5 v3(61.85,63.7) ; J23.16@62.1,65.25 62.1,63.95 v3(61.85,63.7) ; J23.14@62.6,65.25 62.6,63.95 v3(62.85,63.7) ; J23.12@63.1,65.25 63.1,63.95 v3(62.85,63.7) ; J23.4@65.1,65.25 65.1,64.026 v3@65.375,63.751 ; C445.1@65.375,62.5 v3(65.375,63.7) v3@65.375,63.751 ; J23.2@65.6,65.25 65.6,64.006 65.375,63.781 v3@65.375,63.751 ; v3@47.875,62.951 v3(47.875,62.9) v3(48.825,62.9) ; v3(61.85,63.7) v3(62.85,63.7)
  other v3: 23.5,31 24.5,31 23.5,32 24.5,32 23.5,33 24.5,33
24V_IN_1: C2.2 C3.2 C4.2 C5.2 C6.2 C12.2 D1.7 F1.2 R1.1 R2.1 VD2.2
  other v3: 11.75,61.5 12.75,61.5 11.75,62.5 12.75,62.5 11.75,63.5 12.75,63.5 11.75,64.5 12.75,64.5
24V_IN_2: C449.2 C450.2 C451.2 C452.2 C453.2 C459.2 D28.7 F2.2 R302.1 R303.1 VD44.2 | length 7.6
  Top Layer w0.2: R303.1@8.1,42 8.9,42 v3(9.1,41.8)
  POWER_2 w0.2: v3(3,42.9) 4.1,41.8 v3(9.1,41.8)
  other v3: 2.25,32.5 3.25,32.5 2.25,33.5 3.25,33.5 4.25,33.5 3.5,34.5 4.5,34.5
485_A: D27.6 J21.1 | length 9.8
  Top Layer w0.2: D27.6@63.1,11.2 63.1,10.6 63.75,9.95 69.3,9.95 70,9.25 J21.1@70,7.5
485_B: D27.7 J21.2 | length 11.1
  Top Layer w0.2: D27.7@64.37,11.2 64.37,10.517 64.487,10.4 70.6,10.4 J21.2@73.5,7.5
AA24: U1.AA24 | length 1.5
  Top Layer w0.1: v1(88.172,60.34) 88.15,60.318 88.15,59.79 88.421,59.519 U1.AA24@88.421,58.975
AB24: U1.AB24 | length 0.7
  Top Layer w0.1: v1(88.566,60.032) 88.593,60.032 88.85,59.775 88.85,59.465 U1.AB24@88.881,59.435
AC19: U1.AC19 | length 0.5
  Top Layer w0.11: U1.AC19@91.638,57.596 v1(91.639,58.065)
AD18: U1.AD18 | length 0.5
  Top Layer w0.11: U1.AD18@92.558,57.596 v1(92.558,58.056)
ADC_IN0: R287.2 U1.AG26 VD37.6 | length 83
  Top Layer w0.1: v1(119.7,42.5) 121.5,42.5 122.15,41.85 VD37.6@122.15,41.2 122.15,40.459 122.209,40.4 123.9,40.4 124.6,39.7 124.6,38 124.7,37.9 R287.2@125.15,37.9
  Top Layer w0.11: U1.AG26@90.26,62.652 v1(90.261,63.111) v1(90.261,63.111)
  POWER_1 w0.1: v1(90.261,63.111) 89.875,63.497 89.875,65.025 90.9,66.05 90.9,69 94.6,72.7 101.4,72.7 101.9,72.2 101.9,69.4 102.4,68.9 v1(117,68.9)
  Inner_Layer w0.1: v1(117,68.9) 121.875,68.9 125.3,65.475 125.3,52.1 126.1,51.3 126.1,48.3 120.3,42.5 v1(119.7,42.5)
ADC_IN2: U1.AG25 | length 0.5
  Top Layer w0.11: U1.AG25@90.719,62.192 90.719,62.651 v1(90.721,62.653)
ADC_IN3: R286.1 U1.AG28 VD37.3 | length 83.8
  Top Layer w0.1: v1(120.1,42.2) 121.1,42.2 121.6,41.7 121.6,40.3 121.8,40.1 123.2,40.1 123.45,39.85 VD37.3@123.45,39.2 123.9,39.2 124.3,38.8 124.3,37.9 124.5,37.7 124.5,36.9 124.7,36.7 R286.1@125.15,36.7
  Top Layer w0.11: U1.AG28@89.34,63.571 89.34,63.868 89.398,63.925 v1(89.398,63.977)
  POWER_1 w0.1: v1(89.398,63.977) 89.394,63.981 89.394,64.43 89,64.824 89,65.225 90.7,66.925 90.7,69.1 94.5,72.9 101.6,72.9 102.1,72.4 102.1,69.7 102.7,69.1 116.6,69.1 v1(117,69.5)
  Inner_Layer w0.1: v1(117,69.5) 121.7,69.5 125.6,65.6 125.6,52.2 126.3,51.5 126.3,48.1 120.4,42.2 v1(120.1,42.2)
AE18: U1.AE18 | length 0.5
  Top Layer w0.11: U1.AE18@93.017,58.056 v1(93.018,58.516)
AVDD: C405.2 C406.1 D22.17 L18.1 | length 5.4
  Bottom Layer w0.25: D22.17@125,61.75 125.675,61.75 126.95,63.025 C406.1@127.275,63.025
  Bottom Layer w0.3: C406.1@127.275,63 127.3,63.025 128.45,63.025 C405.2@128.475,63 ; C405.2@128.475,63.025 L18.1@129.775,63.025 L18.1@129.85,63.025